# Altium PCB main_io.PcbDoc (part 1 of 3)
Units mil, origin at the board's own origin, x right, y up, seen from the top; angles counter-clockwise.
Board outline 6000 x 9000 mil, 4 copper layers (Top Layer, GND, PWR, Bottom Layer), stack 25.634 mil thick; 533 components, 267 nets, 1561 pads, 50 vias.
Unrouted connection lines stored in the file: 788.
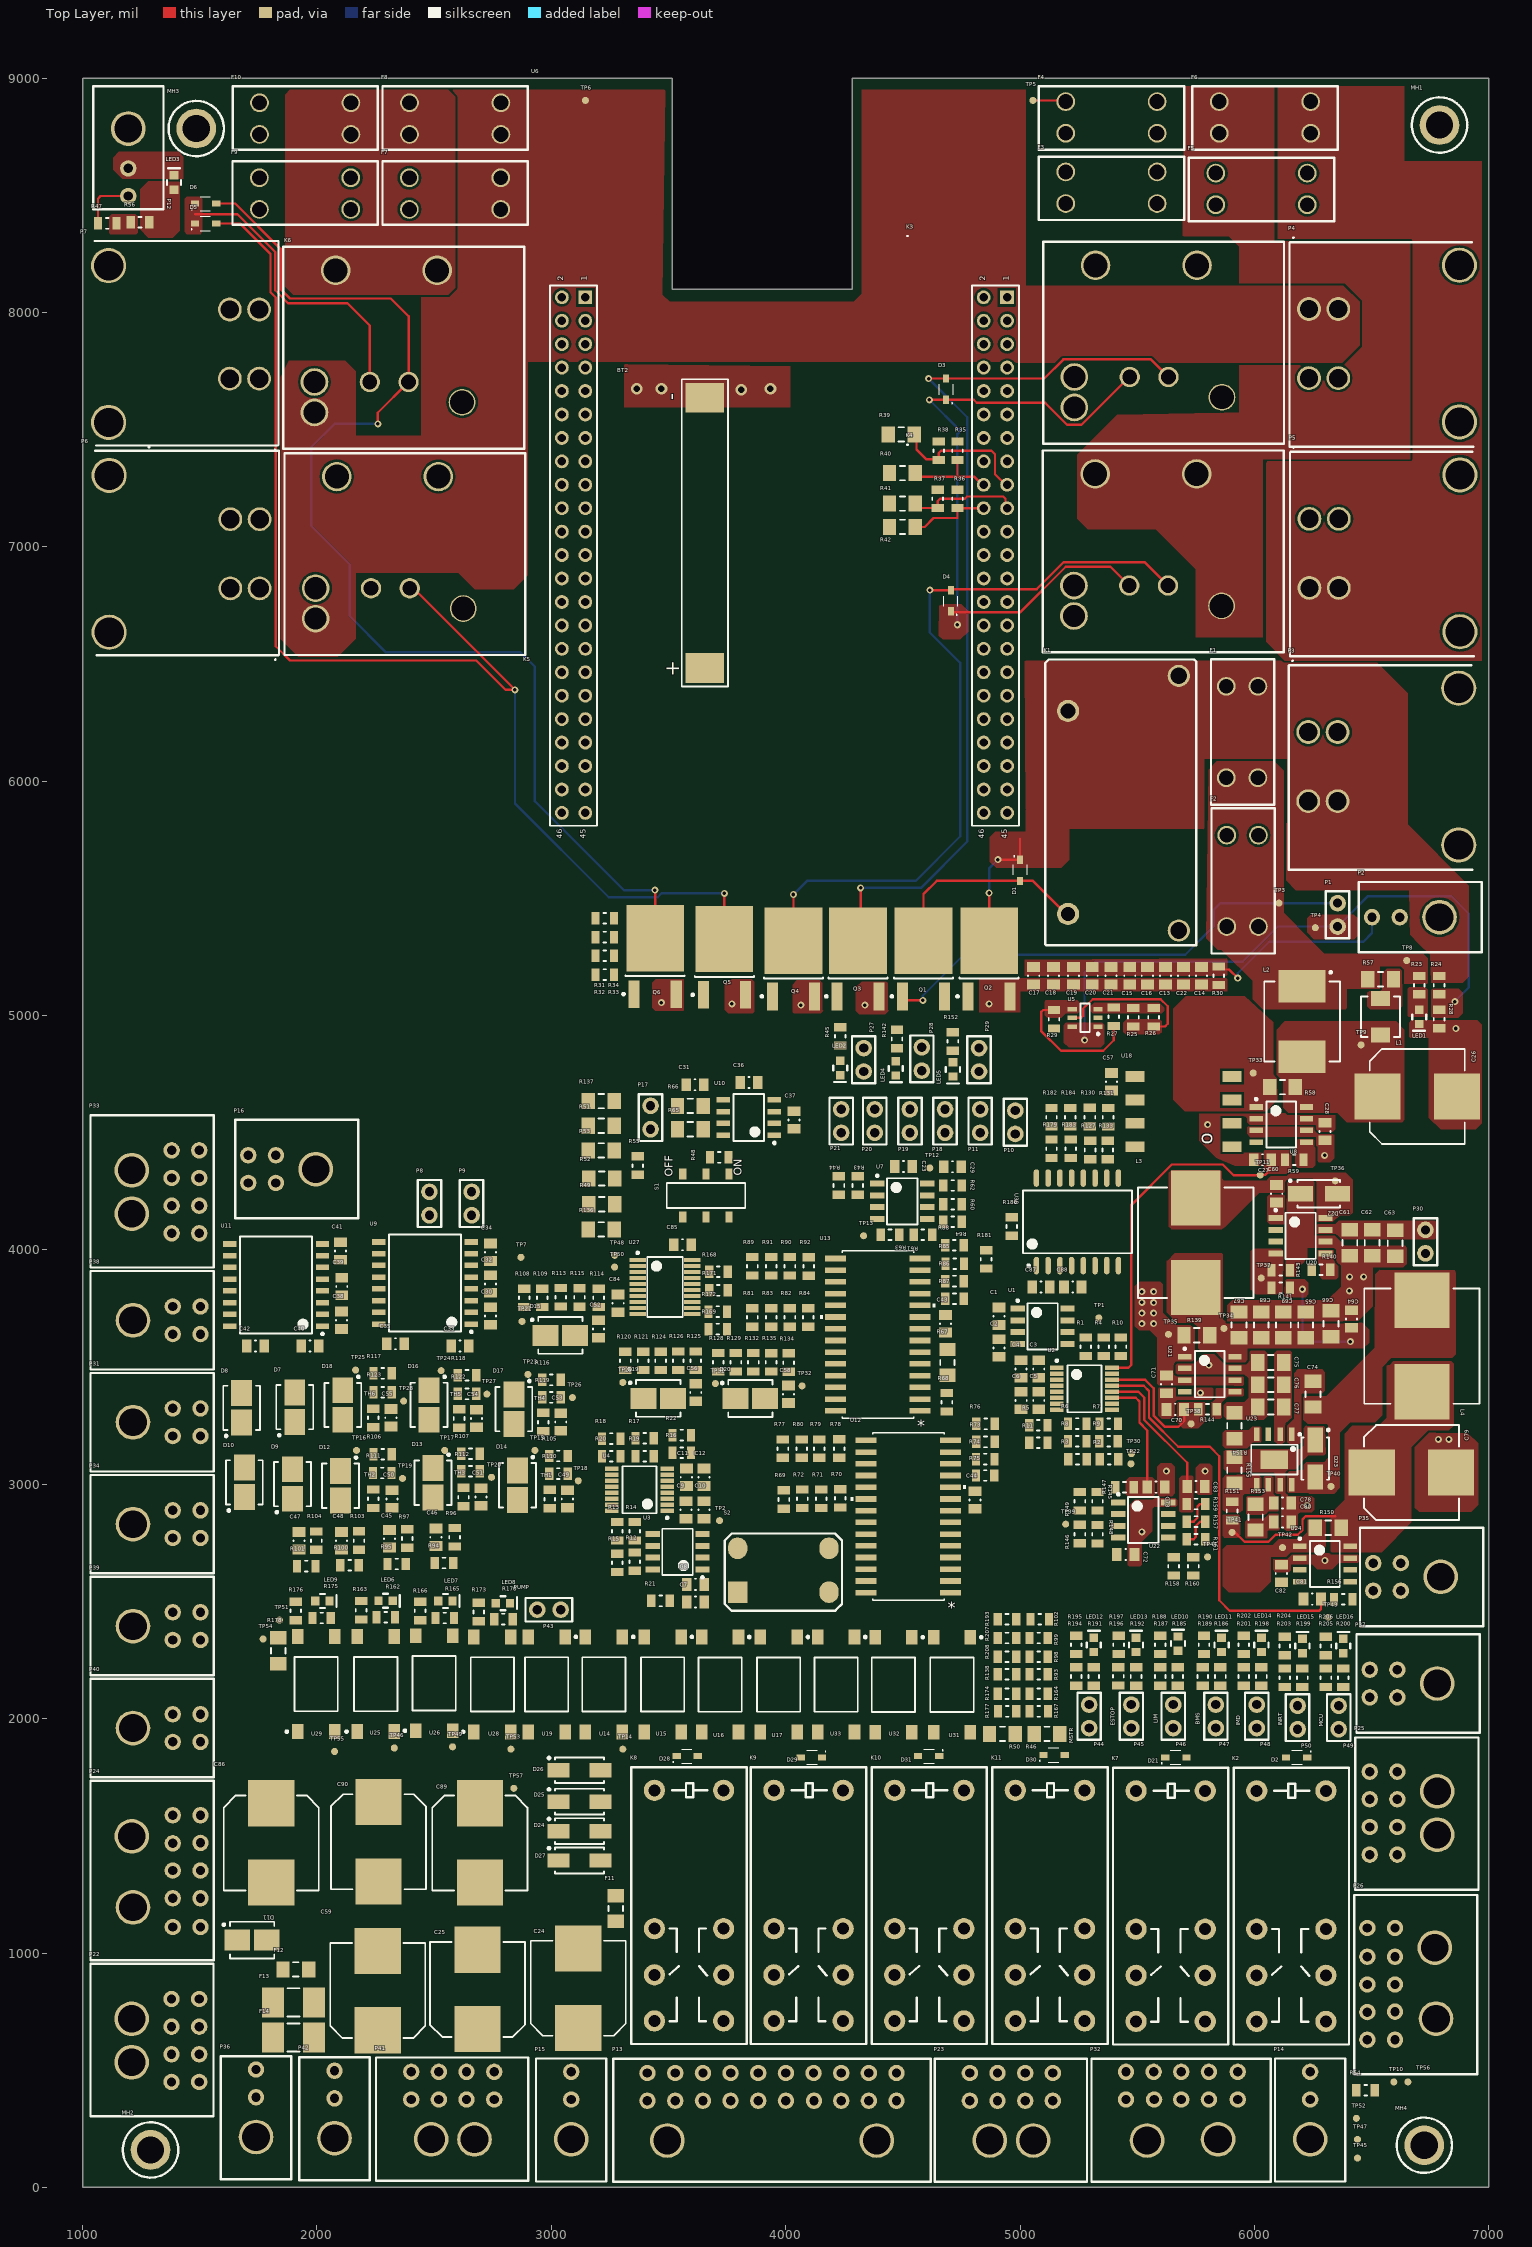
[diagram p0: Top Layer view]
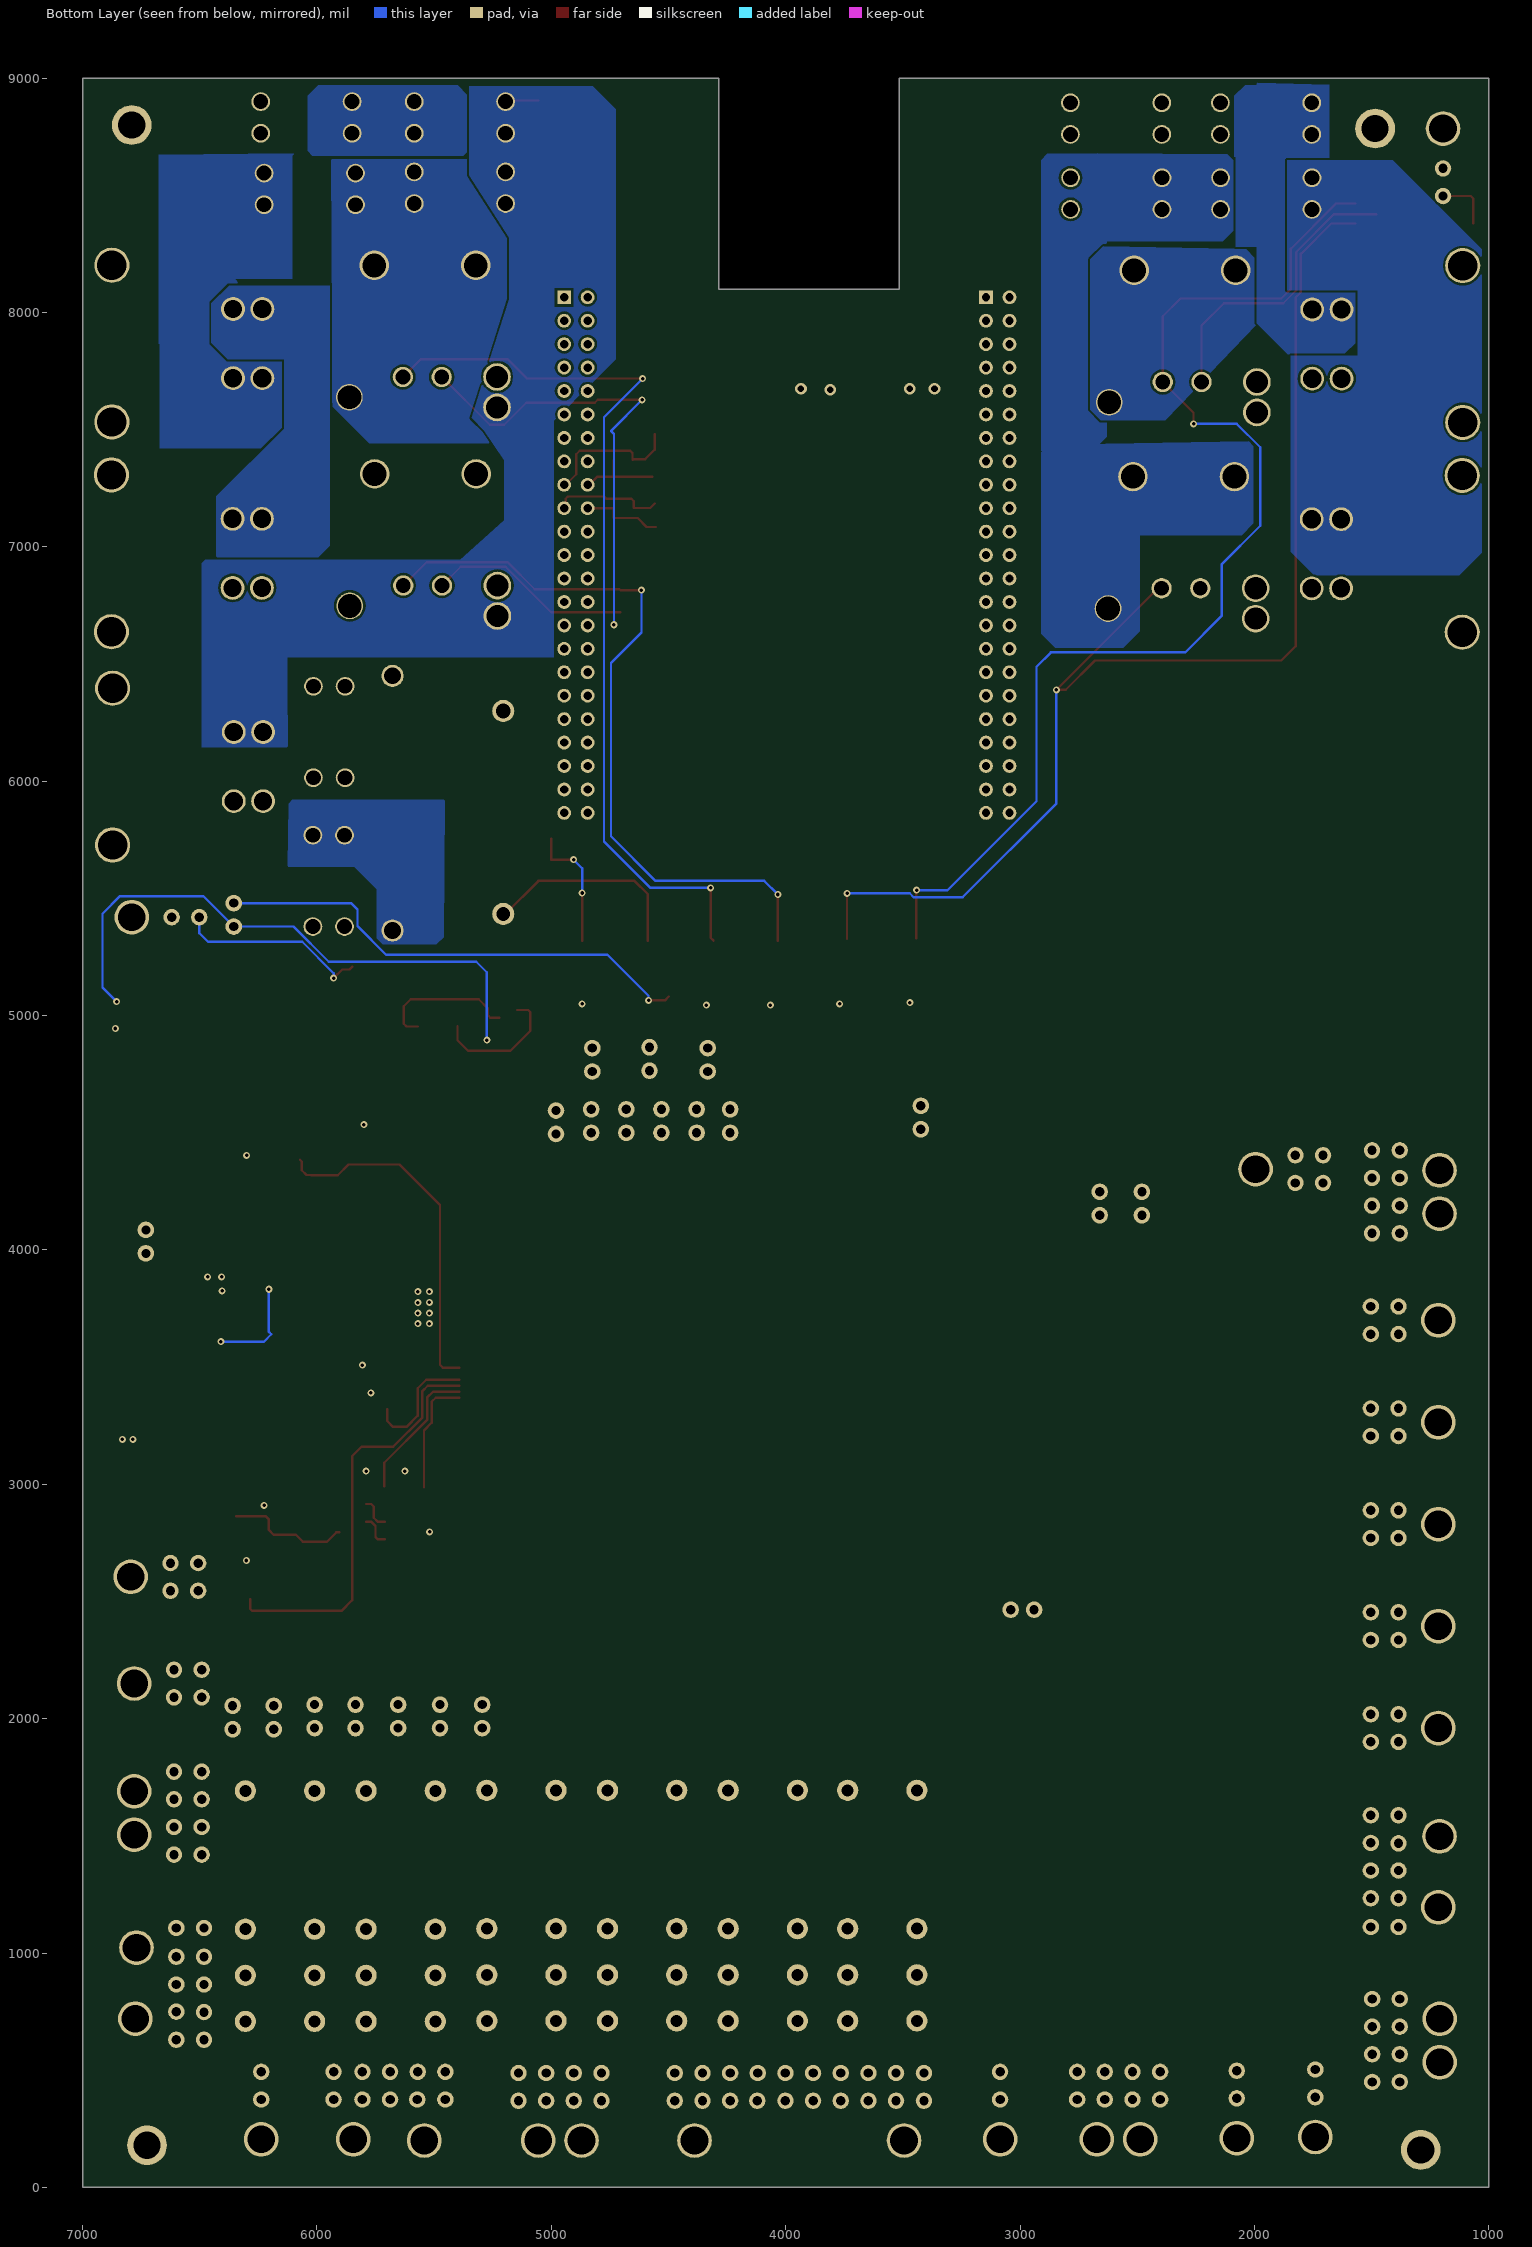
[diagram p1: Bottom Layer view, seen from below]
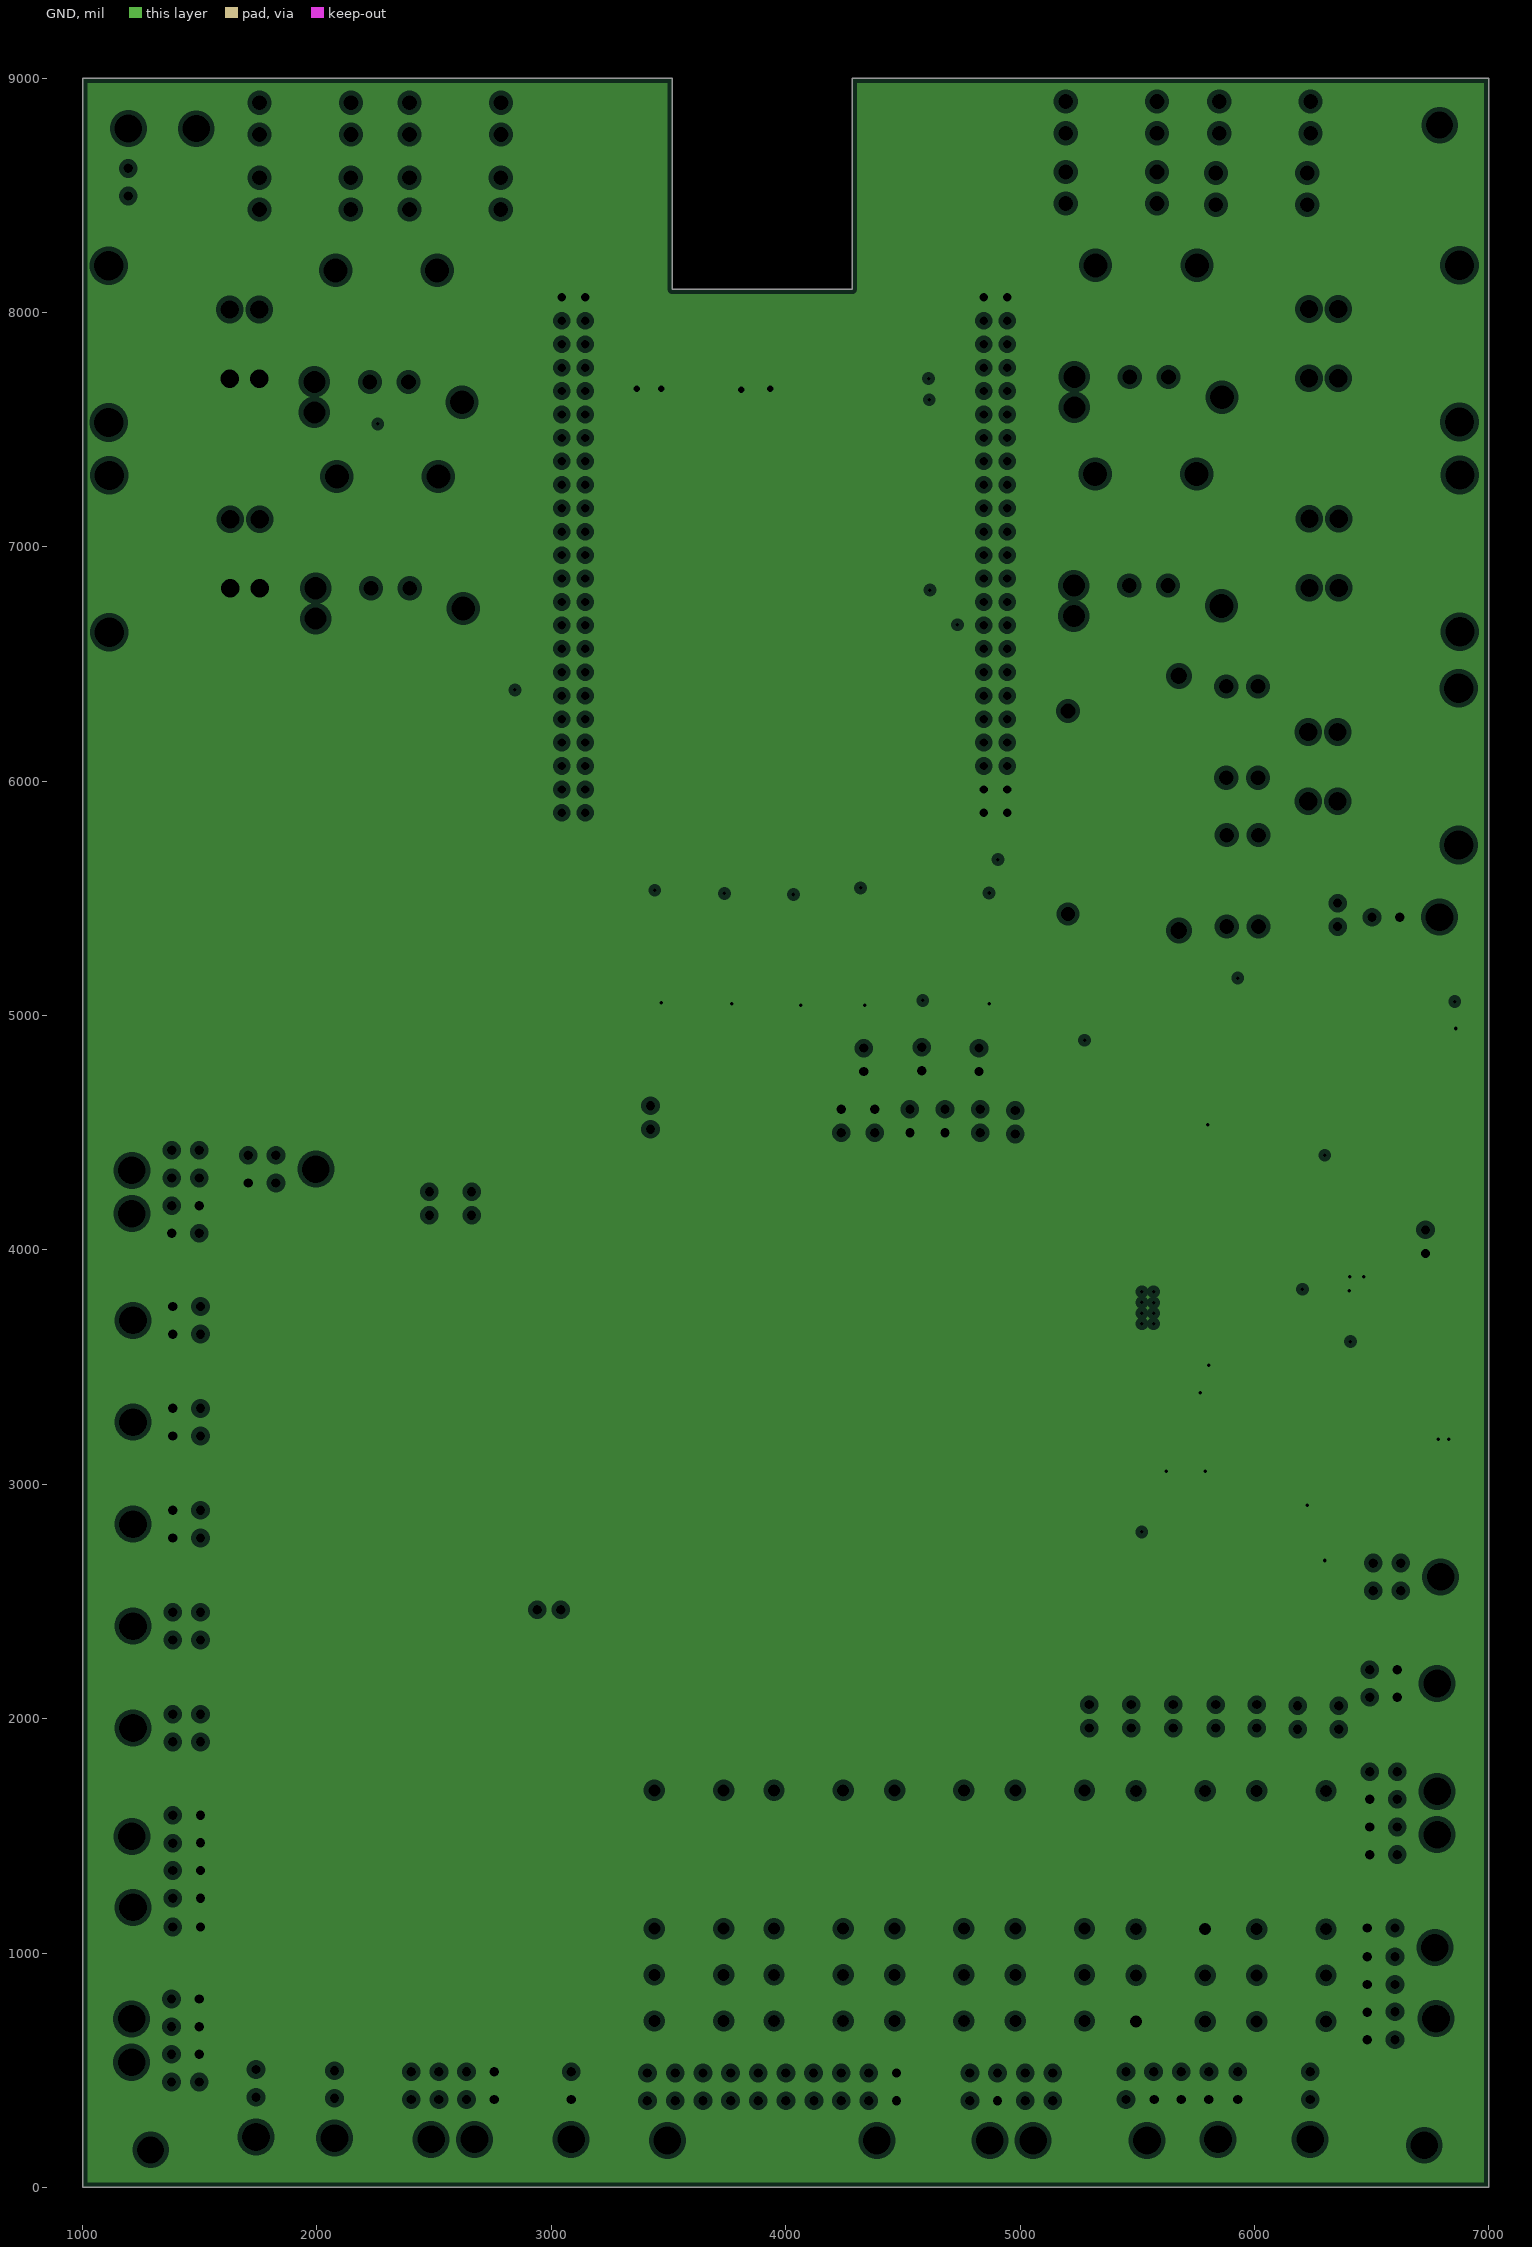
[diagram p2: GND, clearances drawn from the general rule]
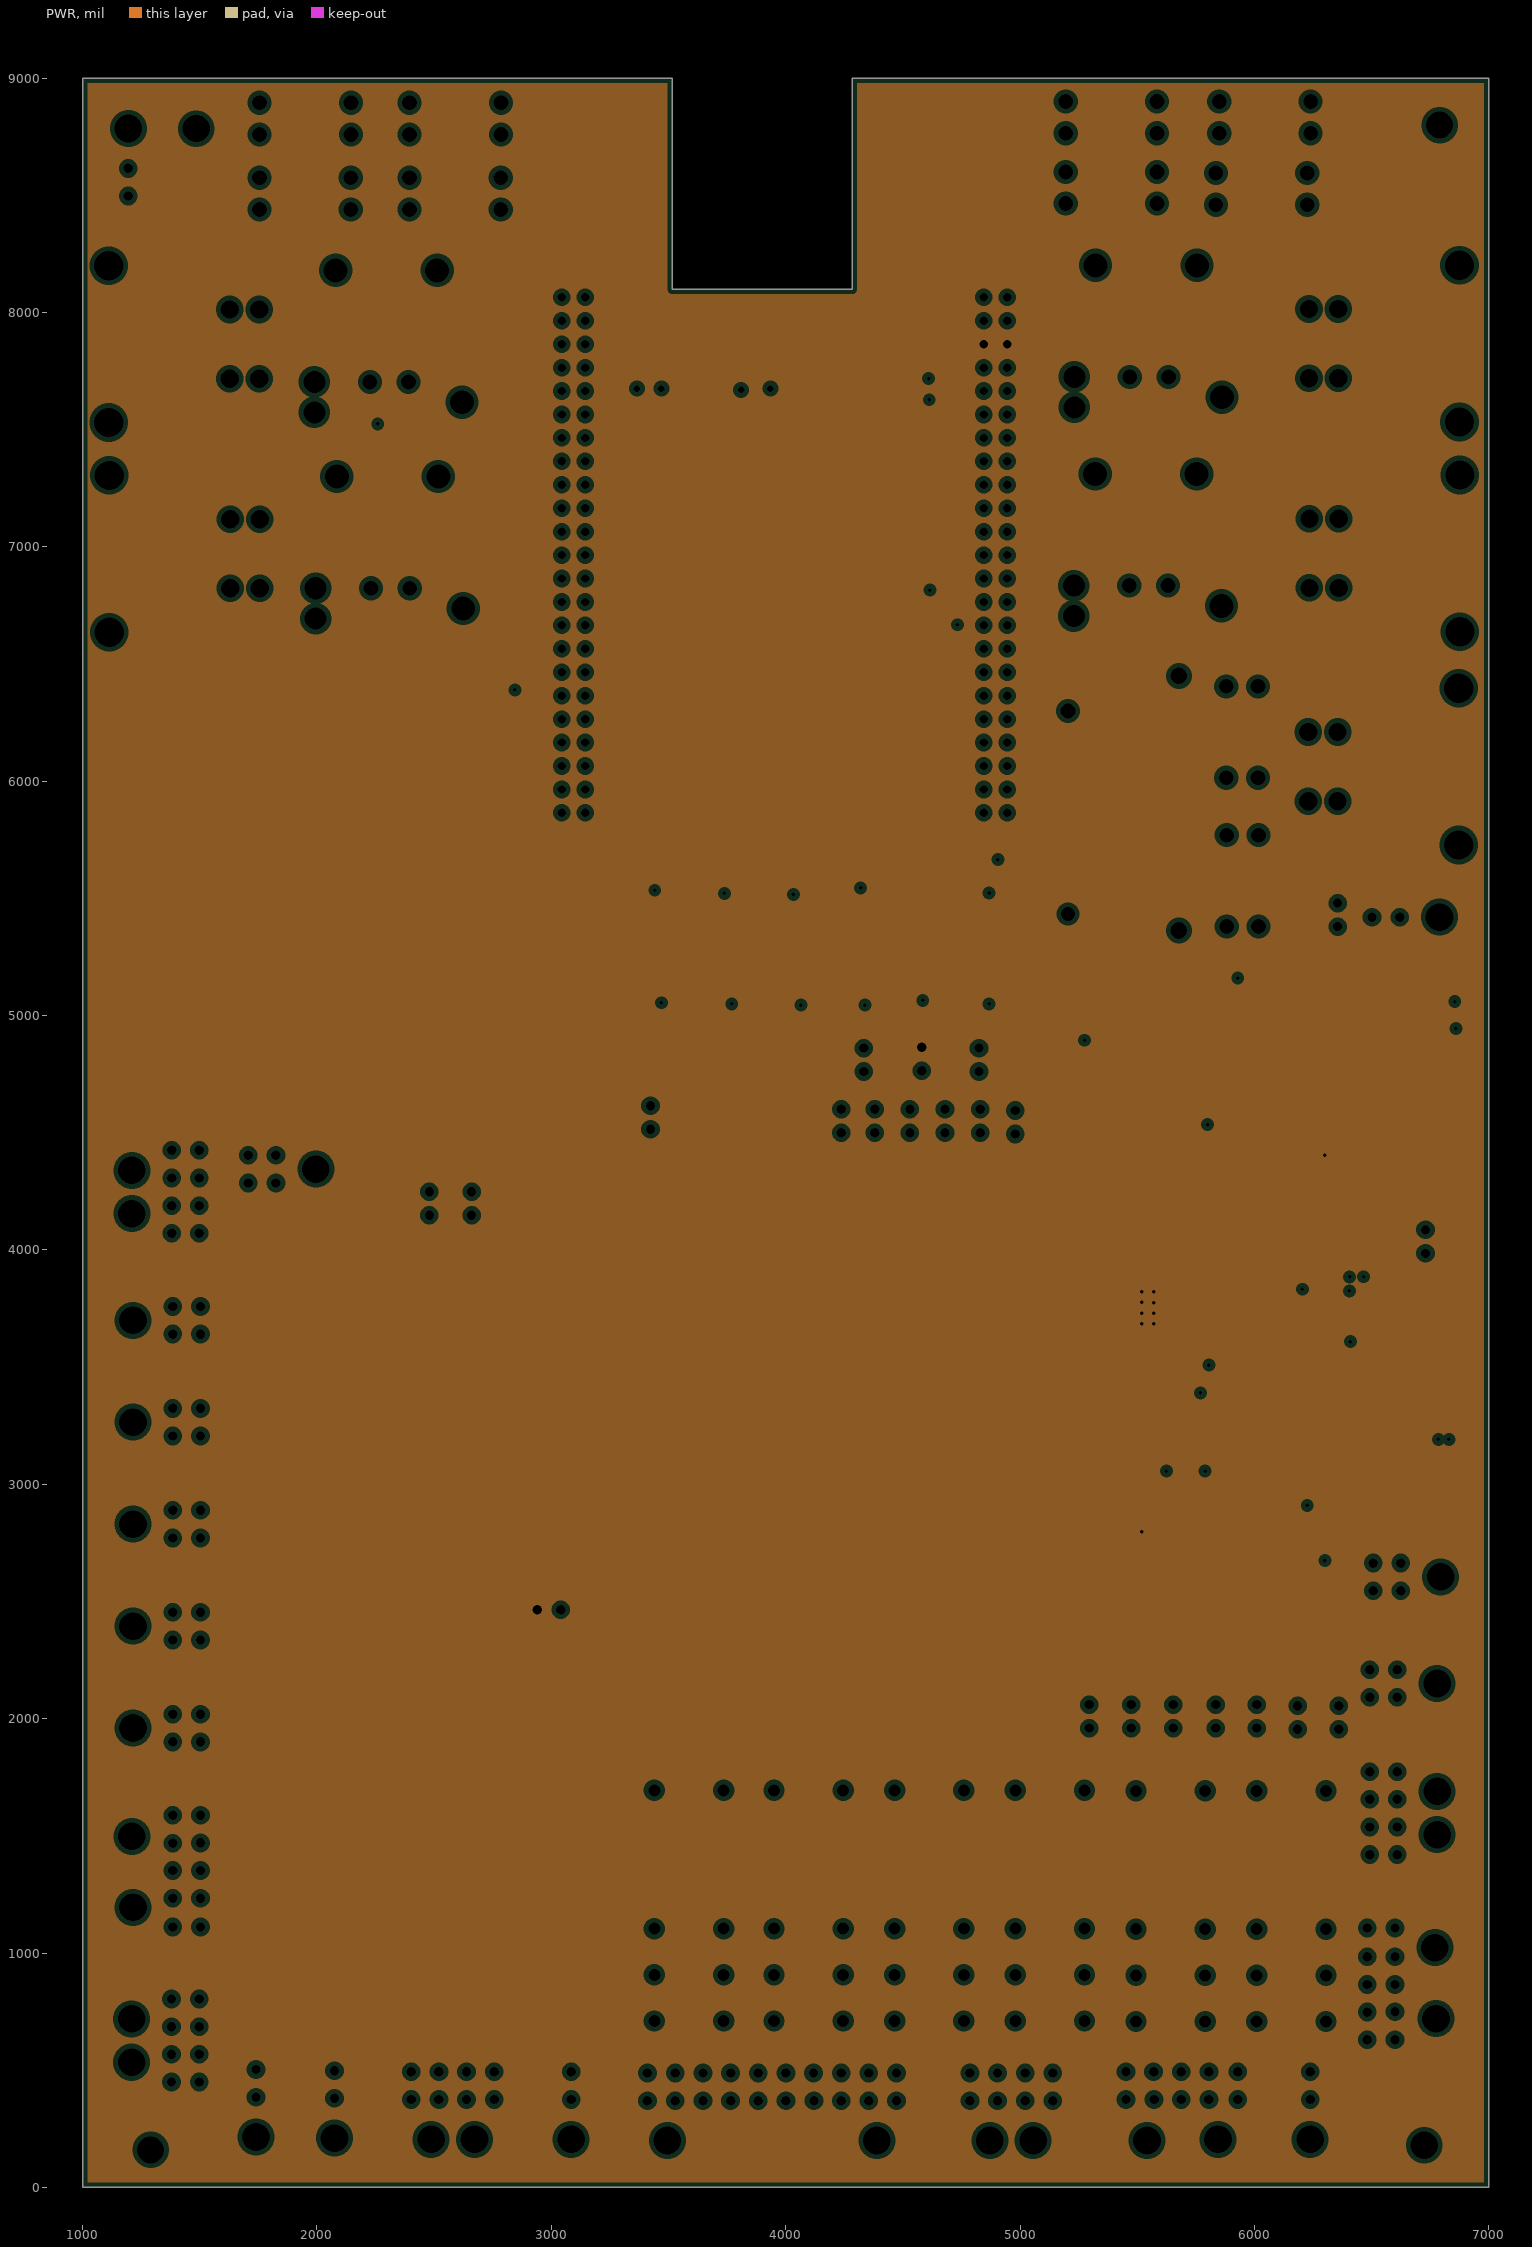
[diagram p3: PWR, clearances drawn from the general rule]

## Layer stack, top to bottom
Top Solder: solder mask 0.4, Solder Resist, Dk 3.5
Top Layer: signal copper 1.4
Dielectric 1: prepreg 5, FR-4, Dk 4.2
GND: plane copper 1.417, net GND
Dielectric 3: dielectric 10, Dk 4.2
PWR: plane copper 1.417, net V-POS5V
Dielectric 2: prepreg 5, Dk 4.2
Bottom Layer: signal copper 1.4
Bottom Solder: solder mask 0.4, Solder Resist, Dk 3.5

## Board outline
3515,9000 3515,8100 4285,8100 4285,9000 7000,9000 7000,0 1000,0 1000,9000

## Design rules (kind name [scope] priority, off if disabled: settings)
Clearance [All] p1: gap=10 ignorepadtopadclearanceinfootprint=FALSE except(0: Arc-Hole Track-Hole SMDPad-Hole THPad-Hole Via-Hole Fill-Hole Poly-Hole Region-Hole Text-Hole)
Height [All] p1: minheight=0 maxheight=5000 prefheight=500
PlaneClearance [All] p1: clearance=20
PlaneConnect [All] p1: planeconnectstyle=Direct reliefexpansion=20 reliefentries=4 reliefconductorwidth=10 reliefairgap=10
PolygonConnect [All] p1: connectstyle=Direct reliefconductorwidth=10 reliefentries=4 polygonreliefangle="90 Angle" airgapwidth=10
RoutingVias [All] p1: holewidth=15 width=30 viastyle="Through Hole" minholewidth=5 minwidth=15 maxholewidth=250 maxwidth=275
SolderMaskExpansion [All] p1: expansion=4
Width [All] p1: maxlimit=10 minlimit=10 preferedwidth=10
27 further rules are at their usual default settings.

## Classes and differential pairs
component class shutdown_circuit: C89 C90 D28 D29 D30 D31 K8 K9 K10 K11 LED10 LED11 LED12 LED13 LED14 LED15 LED16 P44 P45 P46 P47 P48 P49 P50 R185 R186 R187 R188 R189 R190 R191 R192 R193 R194 R195 R196 R197 R198 R199 R200 R201 R202 R203 R204 R205 R206 R207 R208 S2 TP56 TP57 U31 U32 U33
component class RTC: BT1 BT2 C86 C87 C88 R179 R180 R181 R182 R183 R184 U30
component class retros: C84 C85 D24 D25 D26 D27 LED6 LED7 LED8 LED9 R162 R163 R164 R165 R166 R167 R168 R169 R170 R171 R172 R173 R174 R175 R176 R177 R178 TP45 TP46 TP47 TP48 TP49 TP50 TP51 TP52 TP53 TP54 TP55 U25 U26 U27 U28 U29
component class power_12V: C74 C75 C76 C77 C78 C79 C80 C81 C82 C83 D23 L4 LED5 R150 R151 R152 R153 R154 R155 R156 R157 R158 R159 R160 R161 TP40 TP41 TP42 TP43 TP44 U23 U24
component class power_5V: C60 C61 C62 C63 C64 C65 C66 C67 C68 C69 C70 C71 C72 C73 D22 L3 LED4 R139 R140 R141 R142 R143 R144 R145 R146 R147 R148 R149 TP33 TP34 TP35 TP36 TP37 TP38 TP39 U20 U21 U22
component class motor_controller_interface: C59 D21 F13 F14 K7 P41 P42 P43 R136 R137 R138 U19
component class misc_sensors: C49 C50 C51 C52 C53 C54 C55 C56 C57 C58 D12 D13 D14 D15 D16 D17 D18 D19 D20 R105 R106 R107 R108 R109 R110 R111 R112 R113 R114 R115 R116 R117 R118 R119 R120 R121 R122 R123 R124 R125 R126 R127 R128 R129 R130 R131 R132 R133 R134 R135 TH1 TH2 TH3 TH4 TH5 TH6 TP15 TP16 TP17 TP18 TP19 TP20 TP21 TP22 TP23 TP24 TP25 TP26 TP27 TP28 TP29 TP30 TP31 TP32 U18
component class limit_switches: C45 C46 C47 C48 R93 R94 R95 R96 R97 R98 R99 R100 R101 R102 R103 R104 TP14 U14 U15 U16 U17
component class gpio: C43 C44 R69 R70 R71 R72 R73 R74 R75 R76 R77 R78 R79 R80 R81 R82 R83 R84 R85 R86 R87 R88 R89 R90 R91 R92 U12 U13
component class connectors: D11 MH1 MH2 MH3 MH4 P22 P23 P24 P25 P26 P27 P28 P29 P30 P31 P32 P33 P34 P35 P36 P37 P38 P39 P40 R67 R68
component class can_uart: C30 C31 C32 C33 C34 C35 C36 C37 C38 C39 C40 C41 C42 D7 D8 D9 D10 P17 P18 P19 P20 P21 R65 R66 U9 U10 U11
component class bus_filter: C26 C27 C28 C29 L1 L2 R57 R58 R59 R60 R61 R62 R63 R64 TP8 TP9 TP10 TP11 TP12 TP13 U8
component class bms_interface: C24 C25 F11 F12 LED3 P12 P13 P14 P15 P16 R46 R47 R48 R49 R50 R51 R52 R53 R54 R55 R56 S1
component class beaglebone: C23 LED2 P8 P9 P10 P11 R35 R36 R37 R38 R39 R40 R41 R42 R43 R44 R45 TP7 U6 U7
component class battery_interface: D3 D4 D5 D6 F3 F4 F5 F6 F7 F8 F9 F10 K3 K4 K5 K6 P3 P4 P5 P6 P7 Q3 Q4 Q5 Q6 R31 R32 R33 R34 TP5 TP6
component class batt_protection: C13 C14 C15 C16 C17 C18 C19 C20 C21 C22 D1 D2 F1 F2 K1 K2 LED1 P1 P2 Q1 Q2 R23 R24 R25 R26 R27 R28 R29 R30 TP3 TP4 U5
component class adc: C1 C2 C3 C4 C5 C6 C7 C8 C9 C10 C11 C12 R1 R2 R3 R4 R5 R6 R7 R8 R9 R10 R11 R12 R13 R14 R15 R16 R17 R18 R19 R20 R21 R22 TP1 TP2 U1 U2 U3 U4

## Components (designator, comment, footprint, x,y, rotation, side; value= is the part's Value field where it differs from the comment)
BT2 "BU2032SM-JJ-GTR" "BATTERY HOLDER COIN 20MM" 3655,7060 r90 top
C1 "1µF" SMD-0805C 4910,3717.22 r90 top
C2 "0.10µF" SMD-0805C 4910,3582.22 r270 top
C3 "1µF" SMD-0805C 5080,3492.22 r270 top
C4 "0.10µF" SMD-0805C 5004.37,3492.22 r270 top
C5 "1µF" SMD-0805C 5079.88,3357.22 r270 top
C6 "0.10µF" SMD-0805C 5005,3357.22 r270 top
C7 "1µF" SMD-0805C 3615.04,2498.27 r180 top
C8 "0.10µF" SMD-0805C 3615.04,2573.27 r180 top
C9 "1µF" SMD-0805C 3574.8,2891.04 r90 top
C10 "0.10µF" SMD-0805C 3651.26,2891.04 r90 top
C11 "1µF" SMD-0805C 3576.26,3030.02 r90 top
C12 "0.10µF" SMD-0805C 3651.26,3030.02 r90 top
C13 "1µF" SMD-0805C 5620.87,5170 r270 top
C14 "1µF" SMD-0805C 5773.78,5170 r270 top
C15 "1µF" SMD-0805C 5468.27,5170 r270 top
C16 "1µF" SMD-0805C 5543.27,5170 r270 top
C17 "1µF" SMD-0805C 5058.15,5170 r270 top
C18 "1µF" SMD-0805C 5143.27,5170 r270 top
C19 "1µF" SMD-0805C 5228.27,5170 r270 top
C20 "1µF" SMD-0805C 5308.27,5170 r270 top
C21 "1µF" SMD-0805C 5388.27,5170 r270 top
C22 "1µF" SMD-0805C 5698.27,5170 r270 top
C23 "0.10µF" SMD-0805C 4502.36,4355.59 r180 top
C24 "PCR1J101MCL1GS" CAPAE110103X126M 3115,850 r90 top
C25 "PCR1J101MCL1GS" CAPAE110103X126M 2685,845 r90 top
C26 "PCR1J101MCL1GS" CAPAE110103X126M 6695,4655 r0 top
C27 "0.10µF" SMD-0805C 6035,4385 r180 top
C28 "0.10µF" SMD-0805C 6300.95,4505 r270 top
C29 "0.10µF" SMD-0805C 4712.36,4355 r0 top
C30 "0.10µF" SMD-0805C 2740.26,3718.78 r270 top
C31 "0.10µF" SMD-0805C 3612.78,4705 r180 top
C32 "0.10µF" SMD-0805C 2740.26,3855.32 r270 top
C33 "0.10µF" SMD-0805C 2610,3590 r180 top
C34 "0.10µF" SMD-0805C 2740.26,3990.32 r270 top
C35 "0.10µF" SMD-0805C 2335,3600 r0 top
C36 "0.10µF" SMD-0805C 3843.63,4715 r180 top
C37 "0.10µF" SMD-0805C 4035,4555 r90 top
C38 "0.10µF" SMD-0805C 2105.26,3700.31 r270 top
C39 "0.10µF" SMD-0805C 2105.89,3843.78 r270 top
C40 "0.10µF" SMD-0805C 1969.96,3590 r180 top
C41 "0.10µF" SMD-0805C 2100.26,3995.31 r270 top
C42 "0.10µF" SMD-0805C 1737.4,3590 r0 top
C43 "4.7µF" SMD-0805C 4682.31,3685 r90 top
C44 "4.7µF" SMD-0805C 4808.06,2932.73 r90 top
C45 "10µF" SMD-0805C 2310,2767.99 r90 top
C46 "10µF" SMD-0805C 2507.26,2774.37 r90 top
C47 "10µF" SMD-0805C 1922.83,2758.98 r90 top
C48 "10µF" SMD-0805C 2104.37,2759.37 r90 top
C49 "0.10µF" SMD-0805C 3068.29,2936.96 r270 top
C50 "0.10µF" SMD-0805C 2320.26,2937.51 r270 top
C51 "0.10µF" SMD-0805C 2700.26,2945.68 r270 top
C52 "0.10µF" SMD-0805C 3201.62,3662.91 r270 top
C53 "0.10µF" SMD-0805C 3040.26,3265.68 r270 top
C54 "0.10µF" SMD-0805C 2680.26,3280.68 r270 top
C55 "0.10µF" SMD-0805C 2315.26,3283.8 r270 top
C56 "0.10µF" SMD-0805C 3616.36,3391.89 r270 top
C57 "0.10µF" SMD-0805C 5390,4717.6 r90 top
C58 "0.10µF" SMD-0805C 4012.5,3384.41 r270 top
C59 "PCR1J101MCL1GS" CAPAE110103X126M 2259.53,840 r90 top
C60 "10000pF" SMD-0805C 6095,4240 r90 top
C61 "22µF" SMD-1206C 6407.17,4030.51 r270 top
C62 "4.7µF" SMD-1206C 6502.17,4030.51 r270 top
C63 "4.7µF" SMD-1206C 6600.63,4028.23 r270 top
C64 "0.10µF" SMD-0805C 6414.65,3705 r90 top
C65 "22µF" SMD-1206C 6218.39,3680 r90 top
C66 "22µF" SMD-1206C 6326.81,3685 r90 top
C67 "22µF" SMD-1206C 5934.25,3680 r90 top
C68 "22µF" SMD-1206C 6029.25,3680 r90 top
C69 "22µF" SMD-1206C 6123.39,3680 r90 top
C70 "0.10µF" SMD-0805C 5662.6,3320 r180 top
C71 "0.10µF" SMD-0805C 5625,3426.61 r90 top
C72 "0.10µF" SMD-0805C 5450.63,2701 r180 top
C73 "0.10µF" SMD-0805C 5580.63,2987.73 r0 top
C74 "0.10µF" SMD-1206C 6250,3385 r270 top
C75 "22µF" SMD-1206C 6070,3520 r180 top
C76 "4.7µF" SMD-1206C 6070,3425 r180 top
C77 "4.7µF" SMD-1206C 6070,3330 r180 top
C78 "6.8pF" SMD-0805C 6120,2920 r0 top
C79 "16SVPG47M" CAPAE110103X126M 6670,3050 r0 top
C80 "1500pF" SMD-0805C 6120,2840 r180 top
C81 "0.10µF" SMD-0805C 6247,2510 r180 top
C82 "0.10µF" SMD-0805C 6115,2620 r270 top
C83 "0.10µF" SMD-0805C 5750.63,2991 r0 top
C84 "0.10µF" SMD-0805C 3285.24,3772.24 r270 top